# Altium PCB Goldstrike1_Rev01.PcbDoc (part 4 of 7)
Units mm, origin at the board's own origin, x right, y up, seen from the top; angles counter-clockwise.
Board outline 119.3 x 255 mm, 4 copper layers (L1, L2, L3, L4), stack 1.577 mm thick; 722 components, 224 nets, 4532 pads, 1329 vias.
Unrouted connection lines stored in the file: 147.
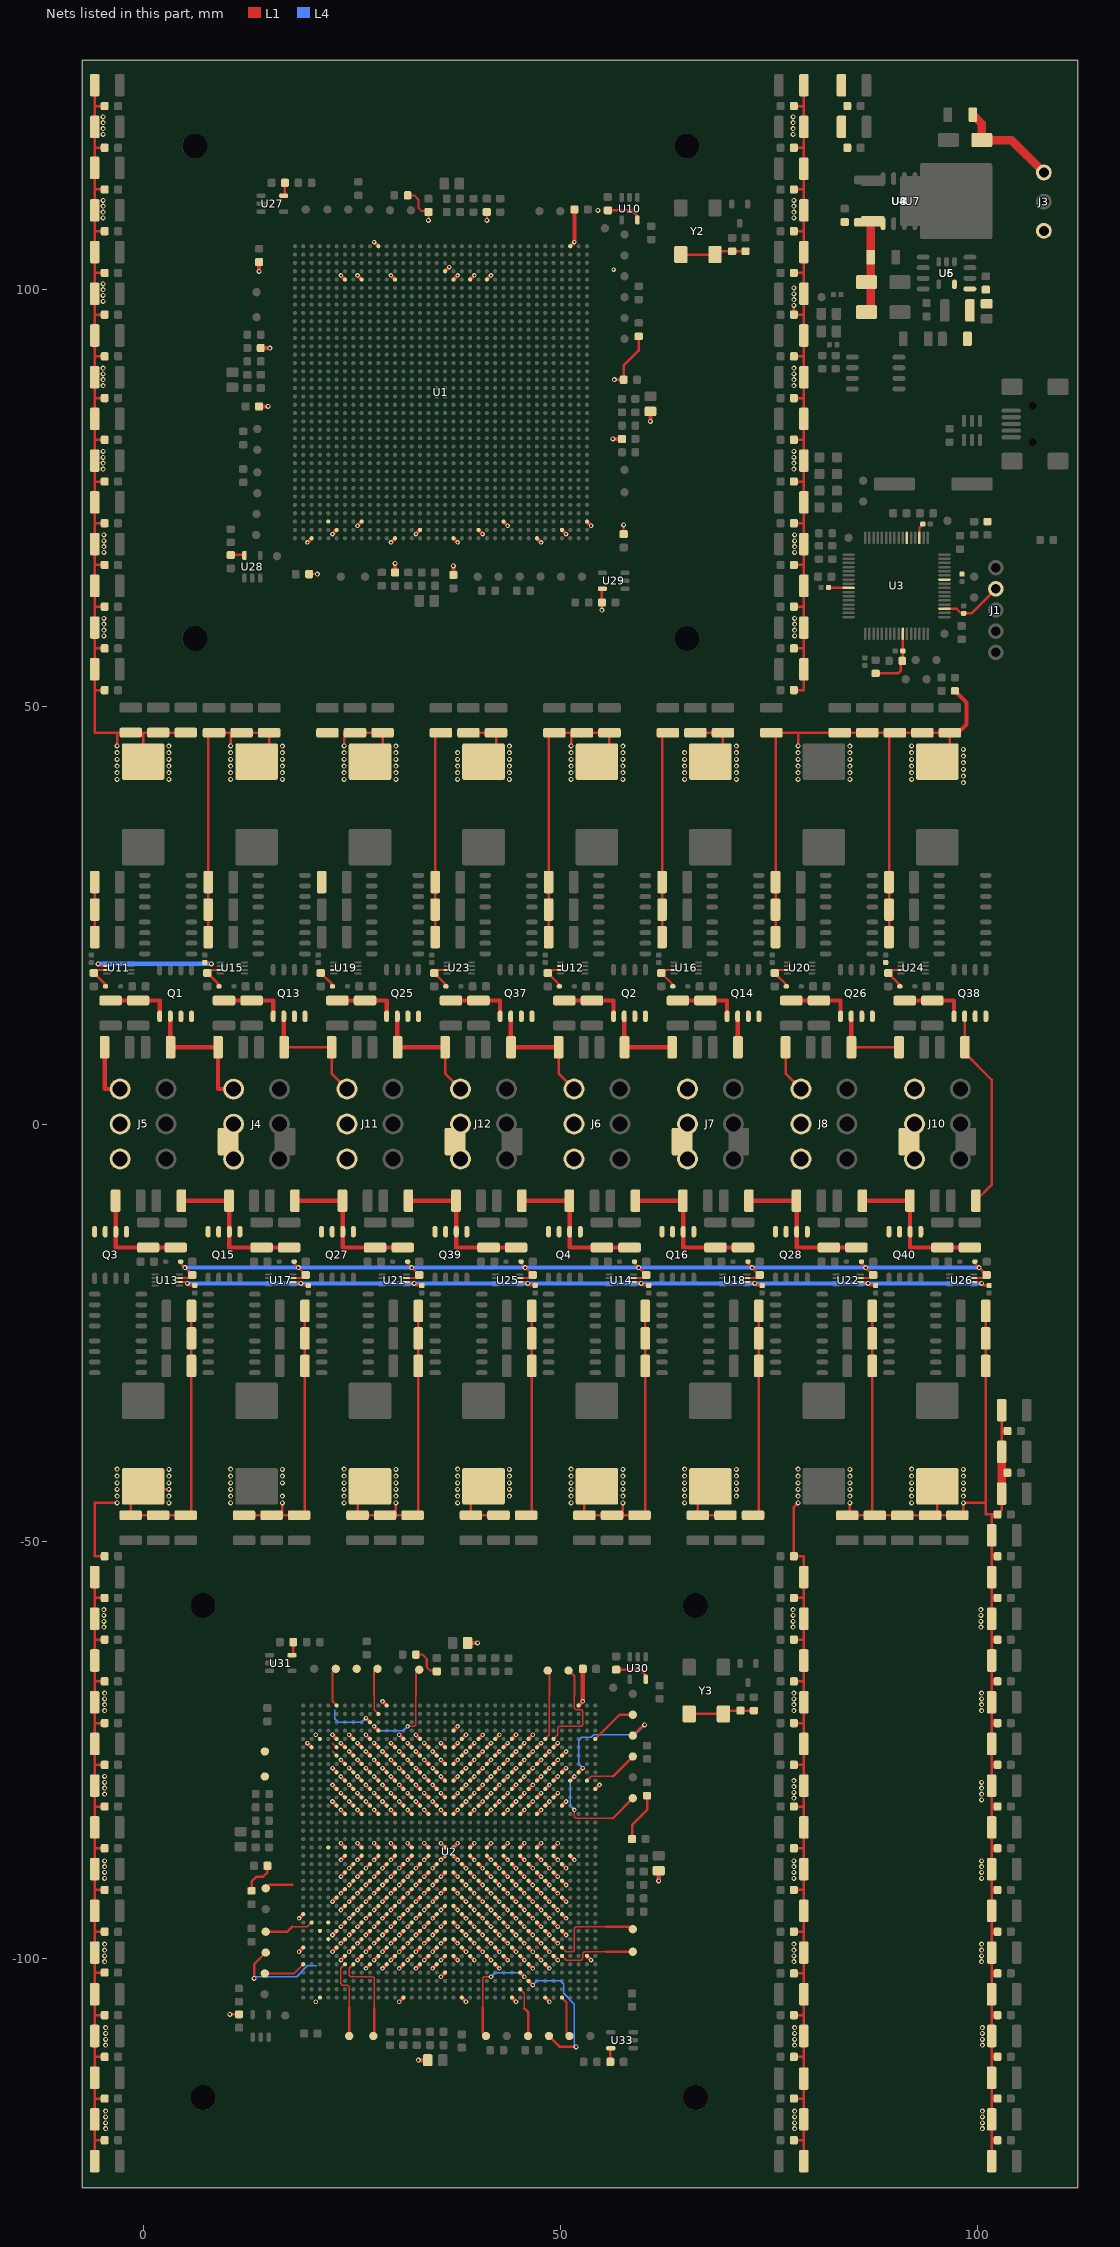
[diagram p6: the nets of this part, all layers, seen from the top]

## Via types
v1: diameter 0.6/0.6/0.6 (per signal layer), hole 0.3, L1 to L4, 672 vias
v2: diameter 0.55/0.55/0.55 (per signal layer), hole 0.25, L1 to L4, 657 vias

## Nets (pads, with @x,y where several pads share a name; then routed paths per layer and width w, separated by ;. In a path a pad name is that pad's centre, name@x,y a point inside that pad or via, vN(x,y) a via of type N, cw(c..) or ccw(c..) an arc to the next point about the centre after c; other vN are vias at no path point)
1V: C19.2 C34.2 C35.2 C36.2 C39.2 C40.2 C41.2 C44.2 C45.2 C46.2 C49.2 C50.2 C51.2 C66.2 C67.2 C68.2 C71.2 C72.2 C73.2 C76.2 C77.2 C78.2 C81.2 C82.2 C83.2 C98.2 C99.2 C100.2 C103.2 C104.2 C105.2 C108.2 C109.2 C110.2 C113.2 C114.2 C115.2 C130.2 C131.2 C132.2 C135.2 C136.2 C137.2 C140.2 C141.2 C142.2 C145.2 C146.2 C147.2 C188.2 C189.2 C190.2 C191.2 C192.2 C193.2 C194.2 C195.2 C196.2 C197.2 C198.2 C199.2 C200.2 C201.2 C202.2 C203.2 C204.2 C205.2 C206.2 C207.2 C208.2 C209.2 C210.2 C211.2 C212.2 C213.2 C214.2 C215.2 C216.2 C217.2 C218.2 C219.2 C220.2 C221.2 C222.2 C223.2 C224.2 C225.2 C226.2 C227.2 C228.2 C229.2 C230.2 C231.2 C232.2 C233.2 C234.2 C235.2 C236.2 C237.2 C238.2 C239.2 C240.2 C241.2 C242.2 C243.2 C244.2 C245.2 C246.2 C247.2 C248.2 C249.2 C250.2 C251.2 C252.2 C253.2 C254.2 C255.2 C256.2 C257.2 C258.2 C259.2 C260.2 C261.2 C262.2 C263.2 C264.2 C265.2 C266.2 C267.2 C268.2 C269.2 C270.2 C271.2 C272.2 C273.2 C274.2 C275.2 C276.2 C277.2 C278.2 C279.2 C280.2 C281.2 C282.2 C283.2 C284.2 C285.2 C286.2 C287.2 C288.2 C289.2 C290.2 C291.2 C292.2 C293.2 C294.2 C295.2 C296.2 C297.2 C298.2 C299.2 C300.2 C301.2 C302.2 C303.2 C304.2 C305.2 C306.2 C307.2 C308.2 C309.2 C310.2 C311.2 C312.2 C313.2 C314.2 C315.2 C316.2 C317.2 C318.2 C319.2 C320.2 C321.2 C322.2 C323.2 C324.2 C325.2 C326.2 C327.2 C328.2 C329.2 C330.2 C331.2 C332.2 C333.2 C334.2 C335.2 C336.2 C337.2 C338.2 C339.2 C340.2 C341.2 C342.2 C343.2 C344.2 C345.2 C346.2 C350.2 C351.2 C352.2 C355.2 C356.2 C357.2 C360.2 C361.2 C362.2 C365.2 C366.2 C367.2 C370.2 C371.2 C372.2 C375.2 C376.2 C377.2 C380.2 C381.2 C382.2 C385.2 C386.2 C387.2 C388.2 C389.2 C390.2 C393.2 C394.2 C395.2 C396.2 C397.2 C398.2 C399.2 C400.2 C401.2 C408.2 C409.2 C410.2 C411.2 C412.2 C413.2 C415.2 C417.2 C418.2 C419.2 FB1.1 FB6.1 FB8.1 FB9.1 L1.2 L2.2 L3.2 L4.2 L5.2 L6.2 L8.2 L9.2 L11.2 L13.2 L14.2 L15.2 L16.2 R6.2 U1.AM13 U1.AM15 U1.AM17 U1.AM24 U1.AM28 U1.AM30 U1.AN18 U1.AT26 U2.A11 U2.AC8 U2.AC10 U2.AC12 U2.AC14 U2.AC16 U2.AC18 U2.AC19 U2.AC21 U2.AC23 U2.AC25 U2.AC27 U2.AC29 U2.AC31 U2.AD5 U2.AD7 U2.AD9 U2.AD11 U2.AD13 U2.AD15 U2.AD17 U2.AD20 U2.AD22 U2.AD24 U2.AD26 U2.AD28 U2.AD30 U2.AD32 U2.AE6 U2.AE8 U2.AE10 U2.AE12 U2.AE14 U2.AE16 U2.AE18 U2.AE19 U2.AE21 U2.AE23 U2.AE25 U2.AE27 U2.AE29 U2.AE31 U2.AF1 U2.AF7 U2.AF9 U2.AF11 U2.AF13 U2.AF15 U2.AF17 U2.AF20 U2.AF22 U2.AF24 U2.AF26 U2.AF28 U2.AF30 U2.AF32 U2.AG6 U2.AG8 U2.AG10 U2.AG12 U2.AG14 U2.AG16 U2.AG18 U2.AG19 U2.AG21 U2.AG23 U2.AG25 U2.AG27 U2.AG29 U2.AG31 U2.AH5 U2.AH7 U2.AH9 U2.AH11 U2.AH13 U2.AH15 U2.AH17 U2.AH20 U2.AH22 U2.AH24 U2.AH26 U2.AH28 U2.AH30 U2.AH32 U2.AJ6 U2.AJ8 U2.AJ10 U2.AJ12 U2.AJ14 U2.AJ16 U2.AJ18 U2.AJ19 U2.AJ21 U2.AJ23 U2.AJ25 U2.AJ27 U2.AJ29 U2.AJ31 U2.AK5 U2.AK7 U2.AK9 U2.AK11 U2.AK13 U2.AK15 U2.AK17 U2.AK20 U2.AK22 U2.AK24 U2.AK26 U2.AK28 U2.AK30 U2.AL6 U2.AL8 U2.AL10 U2.AL12 U2.AL14 U2.AL16 U2.AL18 U2.AL19 U2.AL21 U2.AL23 U2.AL25 U2.AL27 U2.AL29 U2.AL31 U2.AM9 U2.AM11 U2.AM13 U2.AM15 U2.AM17 U2.AM24 U2.AM28 U2.AM30 U2.AN18 U2.AT26 U2.D19 U2.E7 U2.E9 U2.E13 U2.E20 U2.E22 U2.E24 U2.E26 U2.E28 U2.F6 U2.F8 U2.F10 U2.F12 U2.F14 U2.F16 U2.F18 U2.F19 U2.F21 U2.F23 U2.F25 U2.F27 U2.F29 U2.F31 U2.G7 U2.G9 U2.G11 U2.G13 U2.G15 U2.G17 U2.G20 U2.G22 U2.G24 U2.G26 U2.G28 U2.G30 U2.G32 U2.H6 U2.H8 U2.H10 U2.H12 U2.H14 U2.H16 U2.H18 U2.H19 U2.H21 U2.H23 U2.H25 U2.H27 U2.H29 U2.H31 U2.J5 U2.J7 U2.J9 U2.J11 U2.J13 U2.J15 U2.J17 U2.J20 U2.J22 U2.J24 U2.J26 U2.J28 U2.J30 U2.J32 U2.K6 U2.K8 U2.K10 U2.K12 U2.K14 U2.K16 U2.K18 U2.K19 U2.K21 U2.K23 U2.K25 U2.K27 U2.K29 U2.K31 U2.L5 U2.L7 U2.L9 U2.L11 U2.L13 U2.L15 U2.L17 U2.L20 U2.L22 U2.L24 U2.L26 U2.L28 U2.L30 U2.L36 U2.M6 U2.M8 U2.M10 U2.M12 U2.M14 U2.M16 U2.M18 U2.M19 U2.M21 U2.M23 U2.M25 U2.M27 U2.M29 U2.M31 U2.N5 U2.N7 U2.N9 U2.N11 U2.N13 U2.N15 U2.N17 U2.N20 U2.N22 U2.N24 U2.N26 U2.N28 U2.N30 U2.N32 U2.P6 U2.P8 U2.P10 U2.P12 U2.P14 U2.P16 U2.P18 U2.P19 U2.P21 U2.P23 U2.P25 U2.P27 U2.P29 U2.P31 U2.R5 U2.R7 U2.R9 U2.R11 U2.R13 U2.R15 U2.R17 U2.R20 U2.R22 U2.R24 U2.R26 U2.R28 U2.R30 U2.T6 U2.T8 U2.T10 U2.T12 U2.T14 U2.T16 U2.T18 U2.T19 U2.T21 U2.T23 U2.T25 U2.T27 U2.T29 U2.T31 U2.U5 U2.U7 U2.U9 U2.U11 U2.U13 U2.U15 U2.U17 U2.U20 U2.U22 U2.U24 U2.U26 U2.U28 U2.U30 U2.V4 U2.V6 U2.V8 U2.V10 U2.V12 U2.V14 U2.V16 U2.V18 U2.V19 U2.V21 U2.V23 U2.V25 U2.V27 U2.V29 U2.V31 U2.W6 U2.W8 U2.W10 U2.W12 U2.W14 U2.W16 U2.W18 U2.W19 U2.W21 U2.W23 U2.W25 U2.W27 U2.W29 U2.W31 U2.W33 | length 1279
  L1 w0.3: C336.2@-5.8,-124.3 -5.8,-121.8 ; C308.2@-5.8,-54.3 -5.8,-56.8 ; C410.2@-5.8,22.4 C408.2@-5.8,25.7 C409.2@-5.8,29 ; C263.2@-5.8,124.5 -5.8,122 ; C294.2@-4.6,-121.8 -5.8,-121.8 ; C270.2@-4.6,-116.8 -5.8,-116.8 ; C283.2@-4.6,-111.8 -5.8,-111.8 ; C282.2@-4.6,-106.8 -5.8,-106.8 ; C267.2@-4.6,-101.7 -5.8,-101.7 ; C268.2@-4.6,-96.8 -5.8,-96.8 ; C281.2@-4.6,-91.8 -5.8,-91.8 ; C280.2@-4.6,-86.8 -5.8,-86.8 ; C269.2@-4.6,-81.8 -5.8,-81.8 ; C279.2@-4.6,-76.8 -5.8,-76.8 ; C278.2@-4.6,-71.8 -5.8,-71.8 ; C277.2@-4.6,-66.8 -5.8,-66.8 ; C275.2@-4.6,-61.8 -5.8,-61.8 ; C274.2@-4.6,-56.8 -5.8,-56.8 ; C273.2@-4.6,-51.8 -5.8,-51.8 -5.8,-45.4 v1(-3.1,-45.4) ; C213.2@-4.6,52 -5.8,52 ; C214.2@-4.6,57 -5.8,57 ; C215.2@-4.6,62 -5.8,62 ; C216.2@-4.6,67 -5.8,67 ; C217.2@-4.6,72 -5.8,72 ; C218.2@-4.6,77 -5.8,77 ; C196.2@-4.6,82 -5.8,82 ; C220.2@-4.6,87 -5.8,87 ; C221.2@-4.6,92 -5.8,92 ; C192.2@-4.6,97 -5.8,97 ; C191.2@-4.6,102 -5.8,102 ; C224.2@-4.6,107 -5.8,107 ; C225.2@-4.6,112 -5.802,112 ; C207.2@-4.6,117 -5.8,117 ; C204.2@-4.6,122 -5.8,122 ; v1(-3.1,45.325) -3.1,46.909 ; L1.2@0,43.425 0,46.915 ; v1(3.1,-43.8) 0,-43.8 L3.2@0,-43.425 -1.5,-44.925 C44.2@-1.5,-46.9 C46.2@1.8,-46.9 C45.2@5.1,-46.9 5.8,-46.9 C376.2@5.8,-29 C375.2@5.8,-25.7 C377.2@5.8,-22.4 ; C34.2@5.108,46.915 C236.2@1.808,46.915 0,46.915 ; C413.2@7.8,22.4 C411.2@7.8,25.7 C412.2@7.8,29 7.8,46.9 C67.2@8.5,46.9 10.5,46.9 v1(10.5,45.325) ; C68.2@11.8,46.9 C66.2@15.1,46.9 15.1,43.425 L5.2@13.6,43.425 ; C76.2@12.1,-46.9 C78.2@15.4,-46.9 C78.2@16.7,-46.9 ; v1(16.7,-45.4) C78.2@16.7,-46.9 ; C382.2@19.4,-22.4 C380.2@19.4,-25.7 C381.2@19.4,-29 19.4,-46.9 C77.2@18.7,-46.9 C78.2@16.7,-46.9 ; v1(24.1,45.325) 24.1,46.9 C100.2@25.4,46.9 C98.2@28.7,46.9 28.7,43.425 L9.2@27.2,43.425 ; L11.2@27.2,-43.425 25.7,-44.925 C108.2@25.7,-46.9 C110.2@29,-46.9 C110.2@30.3,-46.9 ; v1(30.3,-45.4) C110.2@30.3,-46.9 ; C387.2@33,-22.4 33,-46.9 C109.2@32.3,-46.9 C110.2@30.3,-46.9 ; C419.2@35,22.4 C417.2@35,25.7 C418.2@35,29 35,46.9 C131.2@35.7,46.9 ; C132.2@39,46.9 C130.2@42.3,46.9 42.3,43.425 L13.2@40.8,43.425 ; L15.2@40.8,-43.425 39.3,-44.925 C140.2@39.3,-46.9 C142.2@42.6,-46.9 ; C141.2@45.9,-46.9 46.6,-46.9 C389.2@46.6,-29 C388.2@46.6,-25.7 C390.2@46.6,-22.4 ; C352.2@48.6,22.4 C350.2@48.6,25.7 C351.2@48.6,29 48.6,46.9 C40.2@49.3,46.9 C41.2@51.3,46.9 ; v1(51.3,45.325) C41.2@51.3,46.9 ; L4.2@54.4,-43.425 52.9,-44.925 C49.2@52.9,-46.9 C51.2@56.2,-46.9 C51.2@57.5,-46.9 ; L2.2@54.4,43.425 55.9,43.425 C39.2@55.9,46.9 C41.2@52.6,46.9 C41.2@51.3,46.9 ; v1(57.5,-45.4) C51.2@57.5,-46.9 ; C357.2@60.2,-22.4 C355.2@60.2,-25.7 C356.2@60.2,-29 60.2,-46.9 C50.2@59.5,-46.9 C51.2@57.5,-46.9 ; C395.2@62.2,22.4 C393.2@62.2,25.7 C394.2@62.2,29 62.2,46.9 C72.2@62.9,46.9 ; C73.2@66.2,46.9 C71.2@69.5,46.9 69.5,43.425 L6.2@68,43.425 ; L8.2@68,-43.425 66.5,-44.925 C81.2@66.5,-46.9 C83.2@69.8,-46.9 ; C82.2@73.1,-46.9 73.8,-46.9 C362.2@73.8,-22.4 ; C104.2@75.3,46.9 C104.2@75.8,46.9 ; C398.2@75.8,22.4 C396.2@75.8,25.7 C397.2@75.8,29 C104.2@75.8,46.9 ; C284.2@78,-121.8 79.2,-121.8 ; C285.2@78,-116.8 79.202,-116.8 ; C296.2@78,-111.8 79.2,-111.8 ; C295.2@78,-106.8 79.2,-106.8 ; C271.2@78,-101.8 79.2,-101.8 ; C272.2@78,-96.8 79.2,-96.8 ; C293.2@78,-91.8 79.2,-91.8 ; C292.2@78,-86.8 79.2,-86.8 ; C276.2@78,-81.8 79.2,-81.8 ; C291.2@78,-76.8 79.2,-76.8 ; C290.2@78,-71.8 79.2,-71.8 ; C289.2@78,-66.8 79.2,-66.8 ; C288.2@78,-61.8 79.2,-61.8 ; C287.2@78,-56.8 79.2,-56.8 ; C193.2@78,52 79.2,52 C227.2@79.2,54.5 79.2,57 ; C194.2@78,57 79.2,57 ; C195.2@78,62 79.2,62 ; C197.2@78,67 79.2,67 ; C198.2@78,72 79.2,72 ; C199.2@78,77 79.2,77 ; C189.2@78,82 79.2,82 ; C200.2@78,87 79.2,87 ; C201.2@78,92 79.2,92 ; v1(78,98.1) C188.2@78,97 79.2,97 ; C19.2@78,102 79.2,102 ; C202.2@78,107 79.2,107 ; C203.2@78,112 79.2,112 ; C190.2@78,117 79.2,117 ; C222.2@78,122 79.2,122 ; v1(78.5,-45.4) 78,-45.9 C286.2@78,-51.8 79.2,-51.8 C307.2@79.2,-54.3 79.2,-56.8 ; v1(78.5,45.325) 78.5,46.9 ; C335.2@79.2,-124.3 79.2,-121.8 ; C265.2@79.2,124.5 79.2,122 ; C113.2@84.39,-46.9 C113.2@84.7,-46.9 ; v1(84.7,-45.4) C113.2@84.7,-46.9 ; C367.2@87.4,-22.4 C365.2@87.4,-25.7 C366.2@87.4,-29 C115.2@87.4,-46.9 ; C401.2@89.4,22.4 C399.2@89.4,25.7 C400.2@89.4,29 C136.2@89.4,46.9 ; L16.2@95.2,-43.425 C145.2@95.2,-46.9 ; L14.2@95.2,43.425 96.7,43.425 C135.2@96.7,46.9 C137.2@93.4,46.9 C136.2@90.1,46.9 C136.2@89.4,46.9 ; C372.2@101,-22.4 C370.2@101,-25.7 C371.2@101,-29 101,-45.4 ; C246.2@101.7,-124.3 101.7,-121.8 ; C211.2@102.4,-121.8 101.7,-121.8 ; C226.2@102.4,-116.8 101.7,-116.8 ; C223.2@102.4,-111.8 101.7,-111.8 ; C212.2@102.4,-106.8 101.7,-106.8 ; C297.2@102.4,-101.8 101.7,-101.8 ; C306.2@102.4,-96.8 101.7,-96.8 ; C298.2@102.4,-91.8 101.7,-91.8 ; C300.2@102.4,-86.8 101.7,-86.8 ; C302.2@102.4,-81.8 101.7,-81.8 ; C304.2@102.4,-76.8 101.7,-76.8 ; C303.2@102.4,-71.8 101.7,-71.8 ; C299.2@102.4,-66.8 101.7,-66.8 ; C305.2@102.4,-61.8 101.7,-61.8 ; C301.2@102.4,-56.8 101.7,-56.8 ; C210.2@102.4,-51.8 101.7,-51.8 ; C259.2@102.9,-44.3 102.9,-46.3 C208.2@102.4,-46.8 101.7,-46.8 ; 102.9,-41.8 C206.2@103.6,-41.8 ; C261.2@102.9,-39.3 102.9,-36.8 ; C260.2@102.9,-34.3 102.9,-36.8 ; C219.2@103.6,-36.8 102.9,-36.8 ; -5.802,112 C248.2@-5.802,114.597 -5.8,114.599 -5.8,117 ; -5.802,112 -5.802,109.502 C249.2@-5.8,109.5 -5.8,107 ; -5.8,-121.8 C311.2@-5.8,-119.3 -5.8,-116.8 ; -5.8,-116.8 C312.2@-5.8,-114.3 -5.8,-111.8 ; -5.8,-111.8 C313.2@-5.8,-109.3 -5.8,-106.8 ; -5.8,-106.8 C314.2@-5.8,-104.3 -5.8,-101.7 ; -5.8,-101.7 C315.2@-5.8,-99.3 -5.8,-96.8 ; -5.8,-96.8 C316.2@-5.8,-94.3 -5.8,-91.8 ; -5.8,-91.8 C317.2@-5.8,-89.3 -5.8,-86.8 ; -5.8,-86.8 C318.2@-5.8,-84.3 -5.8,-81.8 ; -5.8,-81.8 C319.2@-5.8,-79.3 -5.8,-76.8 ; -5.8,-76.8 C310.2@-5.8,-74.3 -5.8,-71.8 ; -5.8,-71.8 C321.2@-5.8,-69.3 -5.8,-66.8 ; -5.8,-66.8 C309.2@-5.8,-64.3 -5.8,-61.8 ; -5.8,-61.8 C320.2@-5.8,-59.3 -5.8,-56.8 ; -5.8,52 C36.2@-5.8,54.5 -5.8,57 ; -5.8,52 -5.8,46.9 -3.1,46.91 ; -5.8,57 C256.2@-5.8,59.5 -5.8,62 ; -5.8,62 C244.2@-5.8,64.5 -5.8,67 ; -5.8,67 C257.2@-5.8,69.5 -5.8,72 ; -5.8,72 C245.2@-5.8,74.5 -5.8,77 ; -5.8,77 C255.2@-5.8,79.5 -5.8,82 ; -5.8,82 C254.2@-5.8,84.5 -5.8,87 ; -5.8,87 C253.2@-5.8,89.5 -5.8,92 ; -5.8,92 C252.2@-5.8,94.5 -5.8,97 ; -5.8,97 C251.2@-5.8,99.5 -5.8,102 ; -5.8,102 C250.2@-5.8,104.5 -5.8,107 ; -5.8,117 C247.2@-5.8,119.5 -5.8,122 ; -3.1,46.91 C35.2@-1.492,46.915 0,46.915 ; C104.2@75.8,46.9 78.5,46.9 ; 78.5,46.9 C105.2@83.5,46.9 C103.2@86.8,46.9 C136.2@89.4,46.9 ; 79.2,-121.8 C324.2@79.2,-119.3 79.202,-119.298 79.202,-116.8 ; 79.2,-111.8 C326.2@79.2,-109.3 79.2,-106.8 ; 79.2,-111.8 C325.2@79.202,-114.397 C325.2@79.202,-114.397 79.202,-116.8 ; 79.2,-106.8 C327.2@79.2,-104.3 79.2,-101.8 ; 79.2,-101.8 C328.2@79.2,-99.3 79.2,-96.8 ; 79.2,-96.8 C329.2@79.2,-94.3 79.2,-91.8 ; 79.2,-91.8 C330.2@79.2,-89.3 79.2,-86.8 ; 79.2,-86.8 C331.2@79.2,-84.3 79.2,-81.8 ; 79.2,-81.8 C332.2@79.2,-79.3 79.2,-76.8 ; 79.2,-76.8 C323.2@79.2,-74.3 79.2,-71.8 ; 79.2,-71.8 C334.2@79.2,-69.3 79.2,-66.8 ; 79.2,-66.8 C322.2@79.2,-64.3 79.2,-61.8 ; 79.2,-61.8 C333.2@79.2,-59.3 79.2,-56.8 ; 79.2,57 C240.2@79.2,59.5 79.2,62 ; 79.2,62 C228.2@79.2,64.5 79.2,67 ; 79.2,67 C241.2@79.2,69.5 79.2,72 ; 79.2,72 C229.2@79.2,74.5 79.2,77 ; 79.2,77 C239.2@79.2,79.5 79.2,82 ; 79.2,82 C238.2@79.2,84.5 79.2,87 ; 79.2,87 C237.2@79.2,89.5 79.2,92 ; 79.2,92 C235.2@79.2,94.5 79.2,97 ; 79.2,97 C234.2@79.2,99.5 79.2,102 ; 79.2,102 C233.2@79.2,104.5 79.2,107 ; 79.2,107 C232.2@79.2,109.5 79.2,112 ; 79.2,112 C231.2@79.2,114.5 79.2,117 ; 79.2,117 C230.2@79.2,119.5 79.2,122 ; C113.2@84.7,-46.9 C115.2@87.4,-46.9 ; C115.2@87.4,-46.9 C115.2@87.69,-46.9 C114.2@90.99,-46.9 94.337,-46.913 94.358,-46.913 C145.2@94.337,-46.9 C145.2@95.2,-46.9 ; C145.2@95.2,-46.9 C147.2@97.6,-46.9 98.3,-46.9 v1(98.3,-45.4) 101,-45.4 ; 101,-45.4 101,-46.8 101.7,-46.8 ; 101.7,-121.8 C264.2@101.7,-119.3 101.7,-116.8 ; 101.7,-116.8 C266.2@101.7,-114.3 101.7,-111.8 ; 101.7,-111.8 C242.2@101.7,-109.3 101.7,-106.8 ; 101.7,-106.8 C258.2@101.7,-104.3 101.7,-101.8 ; 101.7,-101.8 C346.2@101.7,-99.3 101.7,-96.8 ; 101.7,-96.8 C337.2@101.7,-94.3 101.7,-91.8 ; 101.7,-91.8 C338.2@101.7,-89.3 101.7,-86.8 ; 101.7,-86.8 C344.2@101.7,-84.3 101.7,-81.8 ; 101.7,-81.8 C343.2@101.7,-79.3 101.7,-76.8 ; 101.7,-76.8 C341.2@101.7,-74.3 101.7,-71.8 ; 101.7,-71.8 C342.2@101.7,-69.3 101.7,-66.8 ; 101.7,-66.8 C339.2@101.7,-64.3 101.7,-61.8 ; 101.7,-61.8 C340.2@101.7,-59.3 101.7,-56.8 ; 101.7,-56.8 C345.2@101.7,-54.3 101.7,-51.8 ; 101.7,-51.8 C146.2@101.7,-49.3 101.7,-46.8
  L1 w0.45: v2(18.7,-95.2) U2.L36@19.2,-94.7 ; v2(22.7,-99.2) U2.G32@23.2,-98.7 ; v2(22.7,-97.2) U2.J32@23.2,-96.7 ; v2(22.7,-93.2) U2.N32@23.2,-92.7 ; v2(22.7,-81.2) U2.AD32@23.2,-81.7 ; v2(22.7,-79.2) U2.AF32@23.2,-79.7 ; v2(22.7,-77.2) U2.AH32@23.2,-77.7 ; v2(23.7,-100.2) U2.F31@24.2,-99.7 ; v2(23.7,-98.2) U2.H31@24.2,-97.7 ; v2(23.7,-96.2) U2.K31@24.2,-95.7 ; v2(23.7,-94.2) U2.M31@24.2,-93.7 ; v2(23.7,-92.2) U2.P31@24.2,-91.7 ; v2(23.7,-90.2) U2.T31@24.2,-89.7 ; v2(23.7,-88.2) U2.V31@24.2,-87.7 ; v2(23.7,-86.2) U2.W31@24.2,-86.7 ; v2(23.7,-82.2) U2.AC31@24.2,-82.7 ; v2(23.7,-80.2) U2.AE31@24.2,-80.7 ; v2(23.7,-78.2) U2.AG31@24.2,-78.7 ; v2(23.7,-76.2) U2.AJ31@24.2,-76.7 ; v2(23.7,-74.2) U2.AL31@24.2,-74.7 ; v2(23.7,101.7) U1.AM30@24.2,101.2 ; v2(24.7,-99.2) U2.G30@25.2,-98.7 ; v2(24.7,-97.2) U2.J30@25.2,-96.7 ; v2(24.7,-95.2) U2.L30@25.2,-94.7 ; v2(24.7,-93.2) U2.N30@25.2,-92.7 ; v2(24.7,-91.2) U2.R30@25.2,-90.7 ; v2(24.7,-89.2) U2.U30@25.2,-88.7 ; v2(24.7,-81.2) U2.AD30@25.2,-81.7 ; v2(24.7,-79.2) U2.AF30@25.2,-79.7 ; v2(24.7,-77.2) U2.AH30@25.2,-77.7 ; v2(24.7,-75.2) U2.AK30@25.2,-75.7 ; v2(24.7,-73.2) U2.AM30@25.2,-73.7 ; v2(25.7,-100.2) U2.F29@26.2,-99.7 ; v2(25.7,-98.2) U2.H29@26.2,-97.7 ; v2(25.7,-96.2) U2.K29@26.2,-95.7 ; v2(25.7,-94.2) U2.M29@26.2,-93.7 ; v2(25.7,-92.2) U2.P29@26.2,-91.7 ; v2(25.7,-90.2) U2.T29@26.2,-89.7 ; v2(25.7,-88.2) U2.V29@26.2,-87.7 ; v2(25.7,-86.2) U2.W29@26.2,-86.7 ; v2(25.7,-82.2) U2.AC29@26.2,-82.7 ; v2(25.7,-80.2) U2.AE29@26.2,-80.7 ; v2(25.7,-78.2) U2.AG29@26.2,-78.7 ; v2(25.7,-76.2) U2.AJ29@26.2,-76.7 ; v2(25.7,-74.2) U2.AL29@26.2,-74.7 ; v2(25.7,101.7) U1.AM28@26.2,101.2 ; v2(26.7,-101.2) U2.E28@27.2,-100.7 ; v2(26.7,-99.2) U2.G28@27.2,-98.7 ; v2(26.7,-97.2) U2.J28@27.2,-96.7 ; v2(26.7,-95.2) U2.L28@27.2,-94.7 ; v2(26.7,-93.2) U2.N28@27.2,-92.7 ; v2(26.7,-91.2) U2.R28@27.2,-90.7 ; v2(26.7,-89.2) U2.U28@27.2,-88.7 ; v2(26.7,-81.2) U2.AD28@27.2,-81.7 ; v2(26.7,-79.2) U2.AF28@27.2,-79.7 ; v2(26.7,-77.2) U2.AH28@27.2,-77.7 ; v2(26.7,-75.2) U2.AK28@27.2,-75.7 ; v2(26.7,-73.2) U2.AM28@27.2,-73.7 ; v2(27.7,-100.2) U2.F27@28.2,-99.7 ; v2(27.7,-98.2) U2.H27@28.2,-97.7 ; v2(27.7,-96.2) U2.K27@28.2,-95.7 ; v2(27.7,-94.2) U2.M27@28.2,-93.7 ; v2(27.7,-92.2) U2.P27@28.2,-91.7 ; v2(27.7,-90.2) U2.T27@28.2,-89.7 ; v2(27.7,-88.2) U2.V27@28.2,-87.7 ; v2(27.7,-86.2) U2.W27@28.2,-86.7 ; v2(27.7,-82.2) U2.AC27@28.2,-82.7 ; v2(27.7,-80.2) U2.AE27@28.2,-80.7 ; v2(27.7,-78.2) U2.AG27@28.2,-78.7 ; v2(27.7,-76.2) U2.AJ27@28.2,-76.7 ; v2(27.7,-74.2) U2.AL27@28.2,-74.7 ; v2(27.7,105.7) U1.AT26@28.2,105.2 ; v2(28.7,-101.2) U2.E26@29.2,-100.7 ; v2(28.7,-99.2) U2.G26@29.2,-98.7 ; v2(28.7,-97.2) U2.J26@29.2,-96.7 ; v2(28.7,-95.2) U2.L26@29.2,-94.7 ; v2(28.7,-93.2) U2.N26@29.2,-92.7 ; v2(28.7,-91.2) U2.R26@29.2,-90.7 ; v2(28.7,-89.2) U2.U26@29.2,-88.7 ; v2(28.7,-81.2) U2.AD26@29.2,-81.7 ; v2(28.7,-79.2) U2.AF26@29.2,-79.7 ; v2(28.7,-77.2) U2.AH26@29.2,-77.7 ; v2(28.7,-75.2) U2.AK26@29.2,-75.7 ; v2(28.7,-69.2) U2.AT26@29.2,-69.7 ; v2(29.7,-100.2) U2.F25@30.2,-99.7 ; v2(29.7,-98.2) U2.H25@30.2,-97.7 ; v2(29.7,-96.2) U2.K25@30.2,-95.7 ; v2(29.7,-94.2) U2.M25@30.2,-93.7 ; v2(29.7,-92.2) U2.P25@30.2,-91.7 ; v2(29.7,-90.2) U2.T25@30.2,-89.7 ; v2(29.7,-88.2) U2.V25@30.2,-87.7 ; v2(29.7,-86.2) U2.W25@30.2,-86.7 ; v2(29.7,-82.2) U2.AC25@30.2,-82.7 ; v2(29.7,-80.2) U2.AE25@30.2,-80.7 ; v2(29.7,-78.2) U2.AG25@30.2,-78.7 ; v2(29.7,-76.2) U2.AJ25@30.2,-76.7 ; v2(29.7,-74.2) U2.AL25@30.2,-74.7 ; v2(29.7,101.7) U1.AM24@30.2,101.2 ; v2(30.7,-101.2) U2.E24@31.2,-100.7 ; v2(30.7,-99.2) U2.G24@31.2,-98.7 ; v2(30.7,-97.2) U2.J24@31.2,-96.7 ; v2(30.7,-95.2) U2.L24@31.2,-94.7 ; v2(30.7,-93.2) U2.N24@31.2,-92.7 ; v2(30.7,-91.2) U2.R24@31.2,-90.7 ; v2(30.7,-89.2) U2.U24@31.2,-88.7 ; v2(30.7,-81.2) U2.AD24@31.2,-81.7 ; v2(30.7,-79.2) U2.AF24@31.2,-79.7 ; v2(30.7,-77.2) U2.AH24@31.2,-77.7 ; v2(30.7,-75.2) U2.AK24@31.2,-75.7 ; v2(30.7,-73.2) U2.AM24@31.2,-73.7 ; v2(31.7,-100.2) U2.F23@32.2,-99.7 ; v2(31.7,-98.2) U2.H23@32.2,-97.7 ; v2(31.7,-96.2) U2.K23@32.2,-95.7 ; v2(31.7,-94.2) U2.M23@32.2,-93.7 ; v2(31.7,-92.2) U2.P23@32.2,-91.7 ; v2(31.7,-90.2) U2.T23@32.2,-89.7 ; v2(31.7,-88.2) U2.V23@32.2,-87.7 ; v2(31.7,-86.2) U2.W23@32.2,-86.7 ; v2(31.7,-82.2) U2.AC23@32.2,-82.7 ; v2(31.7,-80.2) U2.AE23@32.2,-80.7 ; v2(31.7,-78.2) U2.AG23@32.2,-78.7 ; v2(31.7,-76.2) U2.AJ23@32.2,-76.7 ; v2(31.7,-74.2) U2.AL23@32.2,-74.7 ; v2(32.7,-101.2) U2.E22@33.2,-100.7 ; v2(32.7,-99.2) U2.G22@33.2,-98.7 ; v2(32.7,-97.2) U2.J22@33.2,-96.7 ; v2(32.7,-95.2) U2.L22@33.2,-94.7 ; v2(32.7,-93.2) U2.N22@33.2,-92.7 ; v2(32.7,-91.2) U2.R22@33.2,-90.7 ; v2(32.7,-89.2) U2.U22@33.2,-88.7 ; v2(32.7,-81.2) U2.AD22@33.2,-81.7 ; v2(32.7,-79.2) U2.AF22@33.2,-79.7 ; v2(32.7,-77.2) U2.AH22@33.2,-77.7 ; v2(32.7,-75.2) U2.AK22@33.2,-75.7 ; v2(33.7,-100.2) U2.F21@34.2,-99.7 ; v2(33.7,-98.2) U2.H21@34.2,-97.7 ; v2(33.7,-96.2) U2.K21@34.2,-95.7 ; v2(33.7,-94.2) U2.M21@34.2,-93.7 ; v2(33.7,-92.2) U2.P21@34.2,-91.7 ; v2(33.7,-90.2) U2.T21@34.2,-89.7 ; v2(33.7,-88.2) U2.V21@34.2,-87.7 ; v2(33.7,-86.2) U2.W21@34.2,-86.7 ; v2(33.7,-82.2) U2.AC21@34.2,-82.7 ; v2(33.7,-80.2) U2.AE21@34.2,-80.7 ; v2(33.7,-78.2) U2.AG21@34.2,-78.7 ; v2(33.7,-76.2) U2.AJ21@34.2,-76.7 ; v2(33.7,-74.2) U2.AL21@34.2,-74.7 ; v2(34.7,-101.2) U2.E20@35.2,-100.7 ; v2(34.7,-99.2) U2.G20@35.2,-98.7 ; v2(34.7,-97.2) U2.J20@35.2,-96.7 ; v2(34.7,-95.2) U2.L20@35.2,-94.7 ; v2(34.7,-93.2) U2.N20@35.2,-92.7 ; v2(34.7,-91.2) U2.R20@35.2,-90.7 ; v2(34.7,-89.2) U2.U20@35.2,-88.7 ; v2(34.7,-81.2) U2.AD20@35.2,-81.7 ; v2(34.7,-79.2) U2.AF20@35.2,-79.7 ; v2(34.7,-77.2) U2.AH20@35.2,-77.7 ; v2(34.7,-75.2) U2.AK20@35.2,-75.7 ; v2(35.7,-102.2) U2.D19@36.2,-101.7 ; v2(35.7,-100.2) U2.F19@36.2,-99.7 ; v2(35.7,-98.2) U2.H19@36.2,-97.7 ; v2(35.7,-96.2) U2.K19@36.2,-95.7 ; v2(35.7,-94.2) U2.M19@36.2,-93.7 ; v2(35.7,-92.2) U2.P19@36.2,-91.7 ; v2(35.7,-90.2) U2.T19@36.2,-89.7 ; v2(35.7,-88.2) U2.V19@36.2,-87.7 ; v2(35.7,-86.2) U2.W19@36.2,-86.7 ; v2(35.7,-82.2) U2.AC19@36.2,-82.7 ; v2(35.7,-80.2) U2.AE19@36.2,-80.7 ; v2(35.7,-78.2) U2.AG19@36.2,-78.7 ; v2(35.7,-76.2) U2.AJ19@36.2,-76.7 ; v2(35.7,-74.2) U2.AL19@36.2,-74.7 ; U1.AN18@36.2,102.2 v2(36.7,102.7) ; U2.F18@37.2,-99.7 v2(37.7,-100.2) ; U2.H18@37.2,-97.7 v2(37.7,-98.2) ; U2.K18@37.2,-95.7 v2(37.7,-96.2) ; U2.M18@37.2,-93.7 v2(37.7,-94.2) ; U2.P18@37.2,-91.7 v2(37.7,-92.2) ; U2.T18@37.2,-89.7 v2(37.7,-90.2) ; U2.V18@37.2,-87.7 v2(37.7,-88.2) ; U2.W18@37.2,-86.7 v2(37.7,-86.2) ; U2.AC18@37.2,-82.7 v2(37.7,-82.2) ; U2.AE18@37.2,-80.7 v2(37.7,-80.2) ; U2.AG18@37.2,-78.7 v2(37.7,-78.2) ; U2.AJ18@37.2,-76.7 v2(37.7,-76.2) ; U2.AL18@37.2,-74.7 v2(37.7,-74.2) ; U2.AN18@37.2,-72.7 v2(37.7,-72.2) ; U1.AM17@37.2,101.2 v2(37.7,101.7) ; U2.G17@38.2,-98.7 v2(38.7,-99.2) ; U2.J17@38.2,-96.7 v2(38.7,-97.2) ; U2.L17@38.2,-94.7 v2(38.7,-95.2) ; U2.N17@38.2,-92.7 v2(38.7,-93.2) ; U2.R17@38.2,-90.7 v2(38.7,-91.2) ; U2.U17@38.2,-88.7 v2(38.7,-89.2) ; U2.AD17@38.2,-81.7 v2(38.7,-81.2) ; U2.AF17@38.2,-79.7 v2(38.7,-79.2) ; U2.AH17@38.2,-77.7 v2(38.7,-77.2) ; U2.AK17@38.2,-75.7 v2(38.7,-75.2) ; U2.AM17@38.2,-73.7 v2(38.7,-73.2) ; U2.F16@39.2,-99.7 v2(39.7,-100.2) ; U2.H16@39.2,-97.7 v2(39.7,-98.2) ; U2.K16@39.2,-95.7 v2(39.7,-96.2) ; U2.M16@39.2,-93.7 v2(39.7,-94.2) ; U2.P16@39.2,-91.7 v2(39.7,-92.2) ; U2.T16@39.2,-89.7 v2(39.7,-90.2) ; U2.V16@39.2,-87.7 v2(39.7,-88.2) ; U2.W16@39.2,-86.7 v2(39.7,-86.2) ; U2.AC16@39.2,-82.7 v2(39.7,-82.2) ; U2.AE16@39.2,-80.7 v2(39.7,-80.2) ; U2.AG16@39.2,-78.7 v2(39.7,-78.2) ; U2.AJ16@39.2,-76.7 v2(39.7,-76.2) ; U2.AL16@39.2,-74.7 v2(39.7,-74.2) ; U1.AM15@39.2,101.2 v2(39.7,101.7) ; U2.G15@40.2,-98.7 v2(40.7,-99.2) ; U2.J15@40.2,-96.7 v2(40.7,-97.2) ; U2.L15@40.2,-94.7 v2(40.7,-95.2) ; U2.N15@40.2,-92.7 v2(40.7,-93.2) ; U2.R15@40.2,-90.7 v2(40.7,-91.2) ; U2.U15@40.2,-88.7 v2(40.7,-89.2) ; U2.AD15@40.2,-81.7 v2(40.7,-81.2) ; U2.AF15@40.2,-79.7 v2(40.7,-79.2) ; U2.AH15@40.2,-77.7 v2(40.7,-77.2) ; U2.AK15@40.2,-75.7 v2(40.7,-75.2) ; U2.AM15@40.2,-73.7 v2(40.7,-73.2) ; U2.F14@41.2,-99.7 v2(41.7,-100.2) ; U2.H14@41.2,-97.7 v2(41.7,-98.2) ; U2.K14@41.2,-95.7 v2(41.7,-96.2) ; U2.M14@41.2,-93.7 v2(41.7,-94.2) ; U2.P14@41.2,-91.7 v2(41.7,-92.2) ; U2.T14@41.2,-89.7 v2(41.7,-90.2) ; U2.V14@41.2,-87.7 v2(41.7,-88.2) ; U2.W14@41.2,-86.7 v2(41.7,-86.2) ; U2.AC14@41.2,-82.7 v2(41.7,-82.2) ; U2.AE14@41.2,-80.7 v2(41.7,-80.2) ; U2.AG14@41.2,-78.7 v2(41.7,-78.2) ; U2.AJ14@41.2,-76.7 v2(41.7,-76.2) ; U2.AL14@41.2,-74.7 v2(41.7,-74.2) ; U1.AM13@41.2,101.2 v2(41.7,101.7) ; U2.E13@42.2,-100.7 v2(42.7,-101.2) ; U2.G13@42.2,-98.7 v2(42.7,-99.2) ; U2.J13@42.2,-96.7 v2(42.7,-97.2) ; U2.L13@42.2,-94.7 v2(42.7,-95.2) ; U2.N13@42.2,-92.7 v2(42.7,-93.2) ; U2.R13@42.2,-90.7 v2(42.7,-91.2) ; U2.U13@42.2,-88.7 v2(42.7,-89.2) ; U2.AD13@42.2,-81.7 v2(42.7,-81.2) ; U2.AF13@42.2,-79.7 v2(42.7,-79.2) ; U2.AH13@42.2,-77.7 v2(42.7,-77.2) ; U2.AK13@42.2,-75.7 v2(42.7,-75.2) ; U2.AM13@42.2,-73.7 v2(42.7,-73.2) ; U2.F12@43.2,-99.7 v2(43.7,-100.2) ; U2.H12@43.2,-97.7 v2(43.7,-98.2) ; U2.K12@43.2,-95.7 v2(43.7,-96.2) ; U2.M12@43.2,-93.7 v2(43.7,-94.2) ; U2.P12@43.2,-91.7 v2(43.7,-92.2) ; U2.T12@43.2,-89.7 v2(43.7,-90.2) ; U2.V12@43.2,-87.7 v2(43.7,-88.2) ; U2.W12@43.2,-86.7 v2(43.7,-86.2) ; U2.AC12@43.2,-82.7 v2(43.7,-82.2) ; U2.AE12@43.2,-80.7 v2(43.7,-80.2) ; U2.AG12@43.2,-78.7 v2(43.7,-78.2) ; U2.AJ12@43.2,-76.7 v2(43.7,-76.2) ; U2.AL12@43.2,-74.7 v2(43.7,-74.2) ; U2.A11@44.2,-104.7 v2(44.7,-105.2) ; U2.G11@44.2,-98.7 v2(44.7,-99.2) ; U2.J11@44.2,-96.7 v2(44.7,-97.2) ; U2.L11@44.2,-94.7 v2(44.7,-95.2) ; U2.N11@44.2,-92.7 v2(44.7,-93.2) ; U2.R11@44.2,-90.7 v2(44.7,-91.2) ; U2.U11@44.2,-88.7 v2(44.7,-89.2) ; U2.AD11@44.2,-81.7 v2(44.7,-81.2) ; U2.AF11@44.2,-79.7 v2(44.7,-79.2) ; U2.AH11@44.2,-77.7 v2(44.7,-77.2) ; U2.AK11@44.2,-75.7 v2(44.7,-75.2) ; U2.AM11@44.2,-73.7 v2(44.7,-73.2) ; U2.F10@45.2,-99.7 v2(45.7,-100.2) ; U2.H10@45.2,-97.7 v2(45.7,-98.2) ; U2.K10@45.2,-95.7 v2(45.7,-96.2) ; U2.M10@45.2,-93.7 v2(45.7,-94.2) ; U2.P10@45.2,-91.7 v2(45.7,-92.2) ; U2.T10@45.2,-89.7 v2(45.7,-90.2) ; U2.V10@45.2,-87.7 v2(45.7,-88.2) ; U2.W10@45.2,-86.7 v2(45.7,-86.2) ; U2.AC10@45.2,-82.7 v2(45.7,-82.2) ; U2.AE10@45.2,-80.7 v2(45.7,-80.2) ; U2.AG10@45.2,-78.7 v2(45.7,-78.2) ; U2.AJ10@45.2,-76.7 v2(45.7,-76.2) ; U2.AL10@45.2,-74.7 v2(45.7,-74.2) ; U2.E9@46.2,-100.7 v2(46.7,-101.2) ; U2.G9@46.2,-98.7 v2(46.7,-99.2) ; U2.J9@46.2,-96.7 v2(46.7,-97.2) ; U2.L9@46.2,-94.7 v2(46.7,-95.2) ; U2.N9@46.2,-92.7 v2(46.7,-93.2) ; U2.R9@46.2,-90.7 v2(46.7,-91.2) ; U2.U9@46.2,-88.7 v2(46.7,-89.2) ; U2.AD9@46.2,-81.7 v2(46.7,-81.2) ; U2.AF9@46.2,-79.7 v2(46.7,-79.2) ; U2.AH9@46.2,-77.7 v2(46.7,-77.2) ; U2.AK9@46.2,-75.7 v2(46.7,-75.2) ; U2.AM9@46.2,-73.7 v2(46.7,-73.2) ; U2.F8@47.2,-99.7 v2(47.7,-100.2) ; U2.H8@47.2,-97.7 v2(47.7,-98.2) ; U2.K8@47.2,-95.7 v2(47.7,-96.2) ; U2.M8@47.2,-93.7 v2(47.7,-94.2) ; U2.P8@47.2,-91.7 v2(47.7,-92.2) ; U2.T8@47.2,-89.7 v2(47.7,-90.2) ; U2.V8@47.2,-87.7 v2(47.7,-88.2) ; U2.W8@47.2,-86.7 v2(47.7,-86.2) ; U2.AC8@47.2,-82.7 v2(47.7,-82.2) ; U2.AE8@47.2,-80.7 v2(47.7,-80.2) ; U2.AG8@47.2,-78.7 v2(47.7,-78.2) ; U2.AJ8@47.2,-76.7 v2(47.7,-76.2) ; U2.AL8@47.2,-74.7 v2(47.7,-74.2) ; U2.E7@48.2,-100.7 v2(48.7,-101.2) ; U2.G7@48.2,-98.7 v2(48.7,-99.2) ; U2.J7@48.2,-96.7 v2(48.7,-97.2) ; U2.L7@48.2,-94.7 v2(48.7,-95.2) ; U2.N7@48.2,-92.7 v2(48.7,-93.2) ; U2.R7@48.2,-90.7 v2(48.7,-91.2) ; U2.U7@48.2,-88.7 v2(48.7,-89.2) ; U2.AD7@48.2,-81.7 v2(48.7,-81.2) ; U2.AF7@48.2,-79.7 v2(48.7,-79.2) ; U2.AH7@48.2,-77.7 v2(48.7,-77.2) ; U2.AK7@48.2,-75.7 v2(48.7,-75.2) ; U2.F6@49.2,-99.7 v2(49.7,-100.2) ; U2.H6@49.2,-97.7 v2(49.7,-98.2) ; U2.K6@49.2,-95.7 v2(49.7,-96.2) ; U2.M6@49.2,-93.7 v2(49.7,-94.2) ; U2.P6@49.2,-91.7 v2(49.7,-92.2) ; U2.T6@49.2,-89.7 v2(49.7,-90.2) ; U2.V6@49.2,-87.7 v2(49.7,-88.2) ; U2.W6@49.2,-86.7 v2(49.7,-86.2) ; U2.AE6@49.2,-80.7 v2(49.7,-80.2) ; U2.AG6@49.2,-78.7 v2(49.7,-78.2) ; U2.AJ6@49.2,-76.7 v2(49.7,-76.2) ; U2.AL6@49.2,-74.7 v2(49.7,-74.2) ; U2.J5@50.2,-96.7 v2(50.7,-97.2) ; U2.L5@50.2,-94.7 v2(50.7,-95.2) ; U2.N5@50.2,-92.7 v2(50.7,-93.2) ; U2.R5@50.2,-90.7 v2(50.7,-91.2) ; U2.U5@50.2,-88.7 v2(50.7,-89.2) ; U2.AD5@50.2,-81.7 v2(50.7,-81.2) ; U2.AH5@50.2,-77.7 v2(50.7,-77.2) ; U2.AK5@50.2,-75.7 v2(50.7,-75.2) ; U2.V4@51.2,-87.7 v2(51.7,-88.2) ; U2.AF1@54.2,-79.7 v2(54.7,-79.2)